# KiCad board WLED Matrix.kicad_pcb (continued)
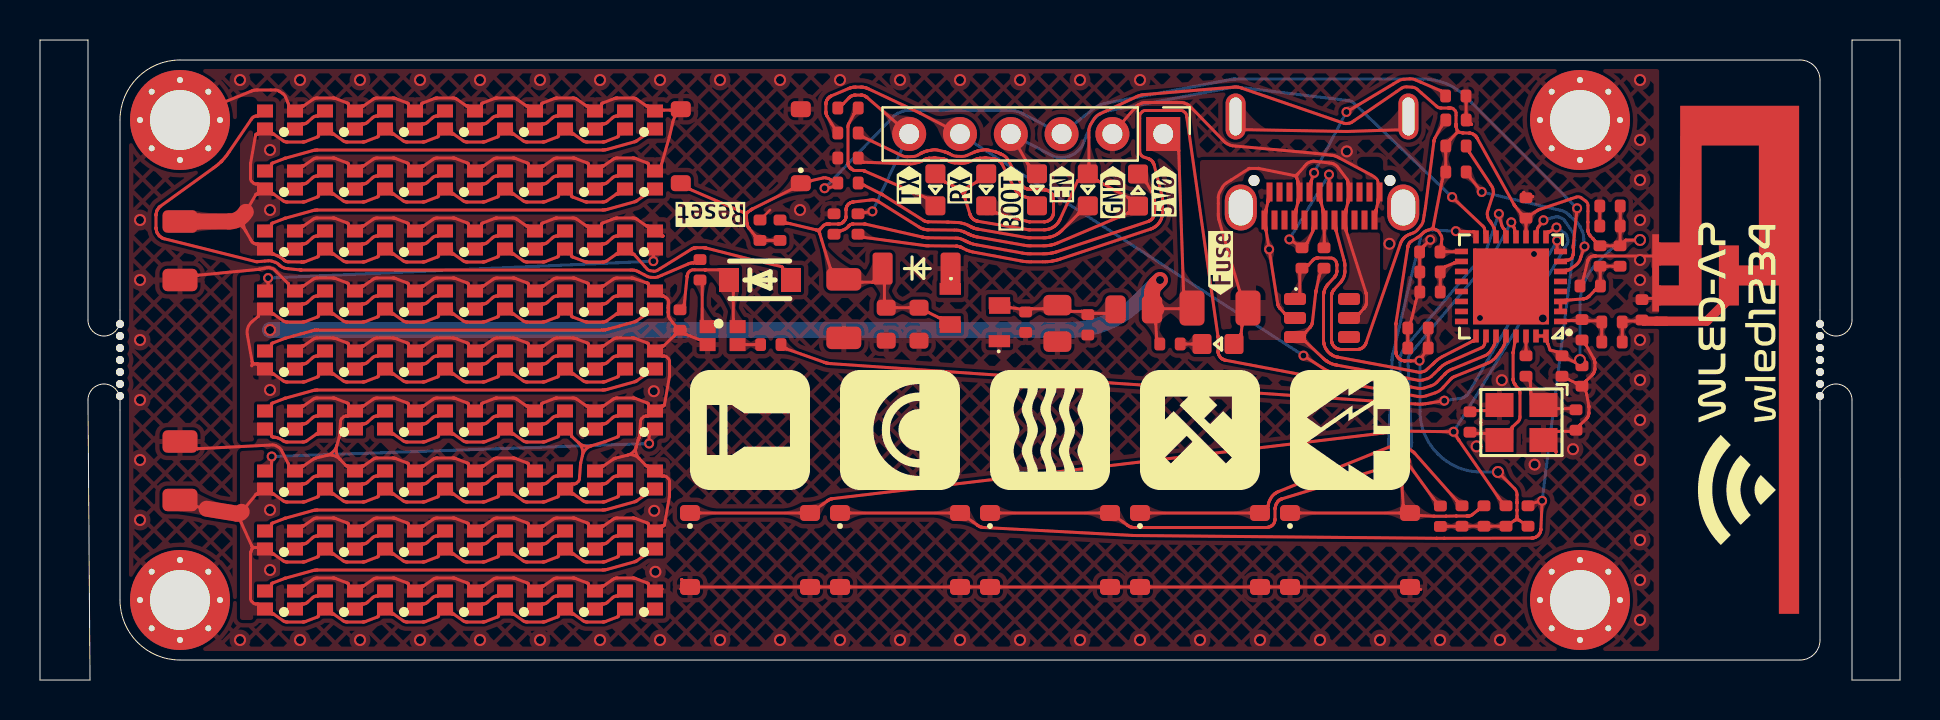
[diagram p0: board, top side]
## Routing (per net, layer and track width the routed paths; a pad name or vN(x,y) marks a point on that pad's centre or on a via; arc(x,y) is an arc through that point)
+3.3V: length 131.5
  Top w0.15: U3.11 74.3,22.52 74.3,22.93 74.3,22.99 ; 69.69,22.56 69.82,22.5 arc(69.9,22.45) 69.96,22.38 70.05,22.22 arc(70.09,22.14) 70.09,22.04 70.06,21.73 arc(70.06,21.73) 70.06,21.72 arc(70.06,21.72) 70.06,21.72 70.06,21.68 arc(70.06,21.65) 70.05,21.61 70.02,21.5 arc(70.04,21.43) 70.1,21.41 70.16,21.41 arc(70.2,21.41) 70.23,21.41 70.79,21.41 arc(70.82,21.41) 70.86,21.42 U3.17 ; 69.69,22.56 arc(69.65,22.57) 69.6,22.56 ; 69.69,22.56 arc(69.66,22.58) 69.65,22.62 ; 39.05,22.59 39.17,22.72 arc(39.19,22.73) 39.21,22.74 39.25,22.77 arc(39.27,22.78) 39.29,22.78 39.3,22.79 arc(39.31,22.79) 39.32,22.79 arc(39.33,22.79) 39.34,22.8 39.34,22.8 arc(39.35,22.8) 39.36,22.8 39.39,22.8 arc(39.4,22.8) 39.41,22.8 39.46,22.8 arc(39.47,22.8) 39.48,22.8 arc(39.49,22.8) 39.5,22.8 39.91,22.8 arc(39.92,22.8) 39.92,22.8 39.92,22.8 arc(39.92,22.8) 39.93,22.8 40,22.81 arc(40.02,22.81) 40.04,22.82 40.08,22.83 arc(40.1,22.84) 40.11,22.85 40.15,22.89 arc(40.16,22.89) 40.16,22.89 40.17,22.9 arc(40.17,22.9) 40.17,22.91 arc(40.17,22.91) 40.18,22.91 40.18,22.92 arc(40.19,22.93) 40.2,22.94 40.21,22.95 arc(40.21,22.95) 40.21,22.95 40.23,22.97 arc(40.24,22.98) 40.25,23 40.27,23.04 arc(40.28,23.05) 40.28,23.07 40.29,23.11 arc(40.29,23.12) 40.3,23.12 arc(40.3,23.13) 40.3,23.14 40.3,23.15 arc(40.3,23.16) 40.3,23.17 40.3,23.5 arc(40.3,23.51) 40.3,23.51 40.3,23.53 arc(40.3,23.53) 40.3,23.54 arc(40.3,23.54) 40.3,23.55 40.31,23.58 arc(40.31,23.59) 40.31,23.6 arc(40.32,23.61) 40.32,23.62 40.33,23.65 arc(40.33,23.66) 40.33,23.67 40.36,23.72 arc(40.37,23.74) 40.38,23.75 40.41,23.79 arc(40.43,23.8) 40.44,23.81 40.5,23.85 arc(40.51,23.86) 40.52,23.86 40.55,23.88 arc(40.57,23.88) 40.58,23.89 40.62,23.89 arc(40.62,23.89) 40.63,23.89 arc(40.63,23.89) 40.63,23.89 40.65,23.9 arc(40.65,23.9) 40.66,23.9 arc(40.66,23.9) 40.66,23.9 40.67,23.9 arc(40.67,23.9) 40.67,23.9 arc(40.68,23.9) 40.68,23.9 41.6,24.01 arc(41.65,24.01) 41.7,24 41.8,23.98 arc(41.84,23.97) 41.88,23.95 41.97,23.89 43.95,22.65 44.01,22.61 arc(44.03,22.6) 44.06,22.58 44.13,22.56 arc(44.16,22.55) 44.19,22.54 44.29,22.52 arc(44.31,22.52) 44.33,22.52 44.36,22.51 arc(44.38,22.51) 44.4,22.51 44.43,22.51 45.83,22.49 arc(45.88,22.49) 45.93,22.48 46.04,22.46 arc(46.09,22.45) 46.14,22.43 46.2,22.41 arc(46.21,22.4) 46.22,22.4 46.24,22.39 arc(46.28,22.37) 46.31,22.36 46.39,22.32 arc(46.4,22.31) 46.41,22.31 46.41,22.31 arc(46.42,22.3) 46.43,22.3 arc(46.44,22.29) 46.45,22.29 46.48,22.27 arc(46.49,22.27) 46.51,22.26 46.54,22.25 arc(46.55,22.24) 46.57,22.24 46.57,22.24 arc(46.58,22.23) 46.6,22.23 46.6,22.23 arc(46.61,22.22) 46.62,22.22 arc(46.63,22.22) 46.64,22.21 46.73,22.18 arc(46.75,22.18) 46.77,22.17 46.81,22.16 arc(46.82,22.16) 46.84,22.15 46.88,22.15 49.2,21.74 49.27,21.73 arc(49.3,21.72) 49.33,21.72 49.4,21.71 arc(49.43,21.71) 49.47,21.71 50.24,21.71 arc(50.28,21.71) 50.31,21.71 50.39,21.72 arc(50.42,21.73) 50.46,21.73 50.59,21.76 arc(50.63,21.77) 50.67,21.78 50.74,21.8 arc(50.78,21.81) 50.82,21.83 50.89,21.86 54.4,23.34 arc(54.4,23.34) 54.4,23.34 54.4,23.35 arc(54.4,23.35) 54.4,23.35 arc(54.41,23.35) 54.41,23.35 54.65,23.52 arc(54.75,23.71) 54.67,23.9 54.43,24.11 arc(54.43,24.11) 54.43,24.11 arc(54.43,24.11) 54.42,24.11 52.9,24.95 arc(52.89,24.95) 52.89,24.95 52.89,24.96 arc(52.89,24.96) 52.89,24.96 arc(52.88,24.96) 52.88,24.96 52.55,25.19 ; 39.05,22.59 arc(38.98,22.46) 38.99,22.32 ; 39.05,22.59 arc(38.93,22.51) 38.79,22.51 ; R24.1 70.23,7.68 arc(70.27,7.68) 70.3,7.68 70.82,7.68 arc(70.85,7.69) 70.89,7.69 70.98,7.69 arc(71.1,7.69) 71.22,7.69 73.18,7.69 arc(73.29,7.71) 73.4,7.76 73.48,7.81 arc(73.6,7.9) 73.72,7.97 ; 69.6,22.56 69.33,22.47 arc(69.3,22.46) 69.28,22.44 69.24,22.42 arc(69.22,22.4) 69.2,22.39 69.05,22.26 arc(69.03,22.23) 69,22.21 68.95,22.17 arc(68.92,22.15) 68.89,22.14 68.55,21.93 arc(68.54,21.92) 68.52,21.91 68.5,21.88 arc(68.49,21.87) 68.48,21.86 68.44,21.81 arc(68.43,21.79) 68.43,21.78 68.41,21.75 arc(68.41,21.73) 68.4,21.72 68.4,21.68 arc(68.4,21.68) 68.4,21.67 arc(68.4,21.67) 68.4,21.67 68.39,21.65 arc(68.39,21.65) 68.39,21.64 arc(68.39,21.63) 68.39,21.63 67.8,17.84 67.8,17.83 arc(67.8,17.82) 67.8,17.82 67.79,17.8 arc(67.79,17.8) 67.79,17.79 arc(67.79,17.79) 67.79,17.78 67.79,16.41 arc(67.79,16.4) 67.8,16.39 67.8,16.38 arc(67.8,16.37) 67.8,16.36 arc(67.8,16.35) 67.8,16.34 67.81,16.33 arc(67.81,16.33) 67.81,16.32 67.81,16.28 arc(67.82,16.27) 67.82,16.25 67.84,16.22 arc(67.84,16.21) 67.85,16.2 arc(67.86,16.18) 67.87,16.17 67.9,16.13 arc(67.91,16.11) 67.92,16.1 67.94,16.08 arc(67.95,16.07) 67.96,16.06 68.04,16.01 arc(68.05,16) 68.06,16 68.09,15.98 arc(68.11,15.98) 68.12,15.97 arc(68.14,15.97) 68.16,15.97 68.2,15.96 arc(68.21,15.96) 68.22,15.96 68.23,15.96 arc(68.24,15.95) 68.25,15.95 68.52,15.95 arc(68.52,15.95) 68.53,15.95 arc(68.53,15.95) 68.54,15.95 v2(68.98,15.97) 69.1,16.15 arc(69.2,16.3) 69.31,16.45 69.34,16.5 arc(69.39,16.61) 69.41,16.72 C21.1 ; 69.6,22.56 arc(69.64,22.58) 69.65,22.62 ; 74.23,23.16 74.04,23.33 arc(74.04,23.34) 74.04,23.34 arc(74.04,23.34) 74.04,23.34 73.77,23.67 arc(73.77,23.67) 73.76,23.68 arc(73.76,23.68) 73.76,23.68 73.76,23.69 arc(73.75,23.69) 73.75,23.7 73.72,23.74 arc(73.72,23.74) 73.72,23.75 arc(73.72,23.75) 73.71,23.75 73.71,23.76 arc(73.71,23.76) 73.71,23.76 arc(73.71,23.77) 73.7,23.77 71.86,27.09 arc(71.85,27.09) 71.85,27.1 arc(71.85,27.1) 71.85,27.1 71.85,27.11 arc(71.84,27.11) 71.84,27.11 arc(71.84,27.12) 71.84,27.12 71.8,27.18 arc(71.79,27.19) 71.78,27.2 71.76,27.22 arc(71.75,27.23) 71.73,27.24 71.66,27.29 arc(71.65,27.3) 71.64,27.3 71.61,27.32 arc(71.59,27.32) 71.58,27.33 71.54,27.33 arc(71.53,27.33) 71.53,27.33 71.51,27.34 arc(71.51,27.34) 71.5,27.34 arc(71.49,27.34) 71.49,27.34 71.48,27.34 arc(71.47,27.34) 71.46,27.35 arc(71.46,27.35) 71.45,27.35 71.17,27.35 arc(71.16,27.35) 71.16,27.35 arc(71.15,27.36) 71.14,27.36 71.13,27.36 arc(71.12,27.36) 71.12,27.36 71.06,27.37 arc(71.06,27.37) 71.06,27.37 arc(71.05,27.37) 71.05,27.37 70.97,27.39 ; 74.23,23.16 arc(74.28,23.08) 74.3,22.99 ; 74.23,23.16 arc(74.3,23.12) 74.38,23.15 ; U3.31 75.27,17.2 arc(75.29,17.19) 75.31,17.17 75.36,16.99 arc(75.36,16.95) 75.37,16.91 75.37,16.87 arc(75.37,16.86) 75.37,16.85 75.37,16.84 arc(75.38,16.83) 75.38,16.83 75.39,16.82 75.5,16.5 75.8,16.42 arc(75.8,16.42) 75.8,16.42 arc(75.8,16.42) 75.8,16.42 arc(75.8,16.42) 75.81,16.42 75.96,16.31 arc(76.1,16.22) 76.26,16.13 76.41,16.05 arc(76.42,16.05) 76.42,16.05 arc(76.42,16.05) 76.42,16.05 76.42,16.05 arc(76.42,16.05) 76.42,16.05 76.78,15.87 arc(76.78,15.87) 76.78,15.87 76.78,15.87 arc(76.78,15.87) 76.79,15.87 v1(77,16) C59.1 ; 70.86,27.49 70.81,27.64 arc(70.81,27.65) 70.81,27.66 70.8,27.67 arc(70.8,27.68) 70.8,27.69 arc(70.8,27.69) 70.8,27.7 70.8,27.72 arc(70.8,27.73) 70.8,27.73 70.8,27.74 arc(70.8,27.75) 70.8,27.76 70.8,27.76 arc(70.8,27.76) 70.8,27.77 70.8,27.77 arc(70.8,27.77) 70.8,27.77 arc(70.8,27.77) 70.8,27.78 70.8,27.78 arc(70.8,27.78) 70.8,27.79 arc(70.8,27.79) 70.8,27.79 70.8,28.36 arc(70.79,28.41) 70.76,28.46 70.67,28.55 arc(70.62,28.59) 70.56,28.6 70.48,28.6 arc(70.48,28.6) 70.48,28.6 70.45,28.6 arc(70.45,28.6) 70.45,28.6 70.41,28.6 70.02,28.6 arc(69.99,28.6) 69.96,28.61 69.91,28.63 arc(69.88,28.64) 69.86,28.66 69.07,29.35 68.86,29.54 arc(68.74,29.61) 68.61,29.64 68.33,29.66 arc(68.19,29.64) 68.07,29.59 67.84,29.43 65.7,27.97 65.59,27.89 arc(65.53,27.86) 65.47,27.84 65.33,27.82 arc(65.27,27.82) 65.2,27.84 65.07,27.88 60.09,29.59 60.01,29.62 arc(59.97,29.63) 59.92,29.64 59.84,29.65 arc(59.8,29.65) 59.75,29.65 59.67,29.64 55.27,29.28 55.17,29.27 arc(55.12,29.26) 55.07,29.25 54.97,29.22 arc(54.92,29.21) 54.88,29.19 54.79,29.15 52.97,28.29 arc(52.83,28.2) 52.72,28.07 52.54,27.79 arc(52.47,27.63) 52.45,27.47 52.45,25.75 arc(52.44,25.71) 52.44,25.67 52.42,25.51 ; 70.86,27.49 arc(70.9,27.43) 70.97,27.39 ; 70.86,27.49 arc(70.86,27.42) 70.82,27.35 ; R21.1 74.22,7.81 arc(74.1,7.9) 73.98,7.97 ; 73.85,8.19 73.85,8.48 arc(73.85,8.48) 73.85,8.48 arc(73.85,8.49) 73.85,8.49 73.85,8.49 arc(73.85,8.49) 73.85,8.5 arc(73.85,8.5) 73.85,8.5 73.85,8.84 arc(73.85,8.85) 73.85,8.86 73.85,8.86 arc(73.85,8.86) 73.85,8.86 73.85,8.87 arc(73.85,8.87) 73.85,8.88 arc(73.85,8.88) 73.85,8.88 73.85,8.89 arc(73.85,8.89) 73.85,8.9 arc(73.85,8.9) 73.85,8.9 73.85,9.01 arc(73.85,9.12) 73.85,9.23 73.85,9.29 arc(73.82,9.44) 73.73,9.57 v1(72.9,10.4) ; 73.85,8.19 arc(73.88,8.07) 73.98,7.97 ; 73.85,8.19 arc(73.82,8.07) 73.72,7.97 ; R36.1 37.31,22.84 arc(37.32,22.84) 37.32,22.84 37.34,22.84 arc(37.36,22.84) 37.38,22.84 37.43,22.83 arc(37.45,22.83) 37.47,22.82 37.51,22.81 38.79,22.51 ; 74.3,22.99 arc(74.32,23.08) 74.38,23.15 ; L5.1 79.29,22 v1(80,22) ; 52.55,25.19 arc(52.39,25.25) 52.23,25.19 ; 52.55,25.19 arc(52.44,25.33) 52.42,25.51 ; LED5.2 46.84,24.9 arc(46.84,24.9) 46.84,24.9 46.48,24.69 ; LED4.2 45.24,24.9 arc(45.24,24.9) 45.24,24.9 45.25,24.9 arc(45.25,24.9) 45.25,24.9 45.75,24.66 ; 52.23,25.19 51.9,24.96 arc(51.9,24.96) 51.89,24.96 arc(51.89,24.96) 51.89,24.96 51.89,24.95 arc(51.89,24.95) 51.88,24.95 51.88,24.95 arc(51.88,24.95) 51.88,24.94 50.99,23.01 arc(50.99,23) 50.98,22.99 50.97,22.96 arc(50.96,22.95) 50.95,22.94 50.89,22.85 arc(50.87,22.82) 50.84,22.79 50.79,22.74 arc(50.77,22.72) 50.74,22.7 50.63,22.62 arc(50.6,22.6) 50.57,22.59 50.5,22.56 arc(50.47,22.55) 50.43,22.54 50.32,22.52 arc(50.31,22.52) 50.29,22.51 50.25,22.51 arc(50.24,22.51) 50.22,22.51 49.48,22.51 arc(49.47,22.51) 49.46,22.51 49.43,22.51 arc(49.41,22.51) 49.4,22.52 49.37,22.52 46.91,22.93 arc(46.91,22.93) 46.91,22.93 arc(46.9,22.93) 46.9,22.93 46.89,22.93 arc(46.89,22.94) 46.89,22.94 arc(46.89,22.94) 46.88,22.94 46.86,22.94 arc(46.86,22.94) 46.85,22.95 arc(46.85,22.95) 46.84,22.95 46.81,22.96 arc(46.8,22.96) 46.79,22.97 46.77,22.97 arc(46.76,22.98) 46.75,22.98 46.7,23.02 arc(46.69,23.02) 46.68,23.03 arc(46.68,23.03) 46.67,23.03 46.66,23.04 arc(46.66,23.05) 46.65,23.05 46.62,23.08 arc(46.62,23.08) 46.61,23.09 46.61,23.09 arc(46.6,23.1) 46.6,23.1 46.58,23.12 arc(46.58,23.13) 46.57,23.14 arc(46.57,23.14) 46.56,23.15 46.55,23.17 arc(46.55,23.17) 46.54,23.18 46.53,23.21 arc(46.53,23.22) 46.52,23.22 arc(46.52,23.23) 46.52,23.23 46.52,23.24 arc(46.51,23.24) 46.51,23.25 arc(46.51,23.25) 46.51,23.26 46.5,23.28 arc(46.5,23.28) 46.5,23.28 arc(46.5,23.29) 46.5,23.29 46.25,24.09 ; 52.23,25.19 arc(52.35,25.33) 52.42,25.51 ; 38.99,22.32 39.08,22.01 arc(39.08,22.01) 39.08,22.01 arc(39.08,22.01) 39.08,22.01 39.52,20.59 arc(39.52,20.59) 39.52,20.59 arc(39.52,20.59) 39.52,20.59 39.88,20.29 arc(40.21,20.08) 40.59,19.96 40.95,19.9 arc(40.99,19.89) 41.03,19.89 41.63,19.89 arc(41.63,19.89) 41.63,19.89 arc(41.63,19.89) 41.63,19.89 arc(41.64,19.89) 41.64,19.89 41.91,20.27 arc(42.07,20.33) 42.17,20.21 42.22,19.88 arc(42.22,19.84) 42.22,19.81 42.22,18.98 arc(42.22,18.94) 42.23,18.9 42.27,18.78 arc(42.34,18.66) 42.48,18.62 43.75,18.62 arc(43.94,18.59) 44.13,18.52 44.42,18.38 arc(44.42,18.38) 44.42,18.38 44.42,18.37 arc(44.43,18.37) 44.43,18.37 44.93,18.12 arc(44.93,18.12) 44.94,18.12 arc(44.94,18.12) 44.94,18.12 44.95,18.12 arc(44.96,18.12) 44.96,18.12 45,18.12 arc(45.04,18.11) 45.07,18.1 LDO1.3 ; 38.99,22.32 arc(38.91,22.44) 38.79,22.51 ; 70.97,27.39 arc(70.89,27.39) 70.82,27.35 ; 74.38,23.15 74.47,23.21 arc(74.6,23.3) 74.73,23.38 74.88,23.48 arc(74.89,23.49) 74.91,23.5 74.94,23.51 arc(74.96,23.52) 74.97,23.53 75.01,23.54 76.55,24.06 76.82,24.15 arc(76.94,24.16) 77.06,24.11 77.29,23.95 arc(77.37,23.85) 77.4,23.72 77.39,22.89 arc(77.39,22.89) 77.39,22.89 77.39,22.51 arc(77.39,22.5) 77.4,22.49 77.4,22.48 arc(77.4,22.47) 77.4,22.46 arc(77.4,22.45) 77.4,22.44 77.41,22.43 arc(77.41,22.43) 77.41,22.42 77.41,22.38 arc(77.42,22.37) 77.42,22.35 77.44,22.32 arc(77.44,22.31) 77.45,22.3 arc(77.46,22.28) 77.47,22.27 77.49,22.23 arc(77.5,22.23) 77.5,22.22 77.51,22.21 arc(77.52,22.2) 77.52,22.2 77.63,22.08 arc(77.64,22.08) 77.64,22.07 arc(77.65,22.07) 77.65,22.06 77.66,22.06 arc(77.66,22.05) 77.67,22.05 77.74,21.96 arc(77.74,21.96) 77.74,21.96 arc(77.74,21.96) 77.74,21.95 77.91,21.79 arc(78.01,21.73) 78.12,21.71 78.9,21.71 arc(78.97,21.74) 79,21.81 79,21.87 arc(79,21.91) 79,21.94 79,22.42 arc(79.01,22.45) 79.01,22.49 79.01,22.58 arc(79.01,22.7) 79.01,22.82 C52.1 ; 70.82,27.35 70.5,27 arc(70.5,27) 70.5,27 arc(70.5,27) 70.5,27 arc(70.5,27) 70.5,26.99 70.36,26.8 arc(70.31,26.69) 70.29,26.58 70.29,25.52 arc(70.28,25.4) 70.23,25.29 70.21,25.24 arc(70.14,25.08) 70.1,24.91 69.65,22.62 ; 46.25,24.09 arc(46.06,24.43) 45.75,24.66 ; 46.25,24.09 arc(46.26,24.43) 46.48,24.69 ; 45.75,24.66 arc(46.12,24.59) 46.48,24.69 ; 73.98,7.97 arc(73.85,8.01) 73.72,7.97
  Bottom w0.15: v1(72.9,10.4) 72.04,10.4 arc(70.89,10.63) 69.92,11.28 69.88,11.32 arc(69.23,12.29) 69,13.44 69,15.93 arc(69,15.94) 68.99,15.96 v2(68.98,15.97) ; v1(77,16) 77,18.76 arc(77.23,19.91) 77.88,20.88 78.41,21.41 arc(79.06,21.85) 79.83,22 v1(80,22)
+5V: length 282.9
  Top w0.15: C24.1 7.76,22.93 7.84,22.93 ; RGB36.2 28.95,15.32 arc(28.93,15.3) 28.92,15.26 28.92,15.21 arc(28.92,15.2) 28.92,15.19 28.91,15.17 arc(28.9,15.16) 28.89,15.16 28.87,15.15 28.25,14.92 arc(28.24,14.91) 28.22,14.91 28.19,14.9 arc(28.18,14.9) 28.16,14.9 27.33,14.9 arc(27.3,14.9) 27.28,14.91 27.23,14.92 arc(27.21,14.93) 27.18,14.94 26.7,15.28 arc(26.69,15.29) 26.69,15.29 arc(26.68,15.29) 26.68,15.29 26.67,15.3 arc(26.66,15.3) 26.66,15.3 26.61,15.3 arc(26.58,15.31) 26.55,15.32 26.41,15.43 arc(26.25,15.48) 26.09,15.43 25.95,15.32 arc(25.93,15.3) 25.92,15.26 25.92,15.21 arc(25.92,15.2) 25.92,15.19 25.91,15.17 arc(25.9,15.16) 25.89,15.16 25.87,15.15 25.25,14.92 arc(25.24,14.91) 25.22,14.91 25.19,14.9 arc(25.18,14.9) 25.16,14.9 24.33,14.9 arc(24.3,14.9) 24.28,14.91 24.23,14.92 arc(24.21,14.93) 24.18,14.94 23.7,15.28 arc(23.69,15.29) 23.69,15.29 arc(23.68,15.29) 23.68,15.29 23.67,15.3 arc(23.66,15.3) 23.66,15.3 23.61,15.3 arc(23.58,15.31) 23.55,15.32 23.41,15.43 arc(23.25,15.48) 23.09,15.43 22.95,15.32 arc(22.93,15.3) 22.92,15.26 22.92,15.21 arc(22.92,15.2) 22.92,15.19 22.91,15.17 arc(22.9,15.16) 22.89,15.16 22.87,15.15 22.25,14.92 arc(22.24,14.91) 22.22,14.91 22.19,14.9 arc(22.18,14.9) 22.16,14.9 21.33,14.9 arc(21.3,14.9) 21.28,14.91 21.23,14.92 arc(21.21,14.93) 21.18,14.94 20.7,15.28 arc(20.69,15.29) 20.69,15.29 arc(20.68,15.29) 20.68,15.29 20.67,15.3 arc(20.66,15.3) 20.66,15.3 20.61,15.3 arc(20.58,15.31) 20.55,15.32 20.41,15.43 arc(20.25,15.48) 20.09,15.43 19.95,15.32 arc(19.93,15.3) 19.92,15.26 19.92,15.21 arc(19.92,15.2) 19.92,15.19 19.91,15.17 arc(19.9,15.16) 19.89,15.16 19.87,15.15 19.25,14.92 arc(19.24,14.91) 19.22,14.91 19.19,14.9 arc(19.18,14.9) 19.16,14.9 18.33,14.9 arc(18.3,14.9) 18.28,14.91 18.23,14.92 arc(18.21,14.93) 18.18,14.94 17.7,15.28 arc(17.69,15.29) 17.69,15.29 arc(17.68,15.29) 17.68,15.29 17.67,15.3 arc(17.66,15.3) 17.66,15.3 17.61,15.3 arc(17.58,15.31) 17.55,15.32 17.41,15.43 arc(17.25,15.48) 17.09,15.43 16.95,15.32 arc(16.93,15.3) 16.92,15.26 16.92,15.21 arc(16.92,15.2) 16.92,15.19 16.91,15.17 arc(16.9,15.16) 16.89,15.16 16.87,15.15 16.25,14.92 arc(16.24,14.91) 16.22,14.91 16.19,14.9 arc(16.18,14.9) 16.16,14.9 15.33,14.9 arc(15.3,14.9) 15.28,14.91 15.23,14.92 arc(15.21,14.93) 15.18,14.94 14.7,15.28 arc(14.69,15.29) 14.69,15.29 arc(14.68,15.29) 14.68,15.29 14.67,15.3 arc(14.66,15.3) 14.66,15.3 14.61,15.3 arc(14.58,15.31) 14.55,15.32 14.41,15.43 arc(14.25,15.48) 14.09,15.43 13.95,15.32 arc(13.93,15.3) 13.92,15.26 13.92,15.21 arc(13.92,15.2) 13.92,15.19 13.91,15.17 arc(13.9,15.16) 13.89,15.16 13.87,15.15 13.25,14.92 arc(13.24,14.91) 13.22,14.91 13.19,14.9 arc(13.18,14.9) 13.16,14.9 12.33,14.9 arc(12.3,14.9) 12.28,14.91 12.23,14.92 arc(12.21,14.93) 12.18,14.94 11.7,15.28 arc(11.69,15.29) 11.69,15.29 arc(11.68,15.29) 11.68,15.29 11.67,15.3 arc(11.66,15.3) 11.66,15.3 11.61,15.3 arc(11.58,15.31) 11.55,15.32 10.95,15.78 arc(10.92,15.79) 10.89,15.8 10.86,15.8 arc(10.85,15.8) 10.84,15.8 arc(10.83,15.8) 10.82,15.8 10.73,15.81 ; 10.73,15.81 arc(10.64,15.78) 10.59,15.71 arc(10.61,15.81) 10.61,15.91 ; 10.73,15.81 arc(10.65,15.84) 10.61,15.91 ; RGB15.2 28.95,24.32 arc(28.92,24.31) 28.89,24.3 28.84,24.3 arc(28.84,24.3) 28.83,24.3 28.82,24.29 arc(28.82,24.29) 28.81,24.29 arc(28.81,24.29) 28.8,24.28 28.36,23.97 28.32,23.94 arc(28.29,23.93) 28.27,23.92 28.22,23.91 arc(28.2,23.9) 28.18,23.9 27.34,23.9 arc(27.32,23.9) 27.31,23.9 27.28,23.91 arc(27.26,23.91) 27.25,23.92 26.63,24.15 arc(26.62,24.15) 26.61,24.16 arc(26.6,24.16) 26.59,24.17 26.58,24.19 arc(26.58,24.2) 26.57,24.21 26.57,24.26 arc(26.57,24.3) 26.55,24.32 26.41,24.43 arc(26.25,24.48) 26.09,24.43 25.95,24.32 arc(25.93,24.3) 25.92,24.26 25.92,24.21 arc(25.92,24.2) 25.92,24.19 25.91,24.17 arc(25.9,24.16) 25.89,24.16 25.87,24.15 25.25,23.92 arc(25.24,23.91) 25.22,23.91 25.19,23.9 arc(25.18,23.9) 25.16,23.9 24.33,23.9 arc(24.3,23.9) 24.28,23.91 24.23,23.92 arc(24.21,23.93) 24.18,23.94 23.7,24.28 arc(23.69,24.29) 23.69,24.29 arc(23.68,24.29) 23.68,24.29 23.67,24.3 arc(23.66,24.3) 23.66,24.3 23.61,24.3 arc(23.58,24.31) 23.55,24.32 23.41,24.43 arc(23.25,24.48) 23.09,24.43 22.95,24.32 arc(22.93,24.3) 22.92,24.26 22.92,24.21 arc(22.92,24.2) 22.92,24.19 22.91,24.17 arc(22.9,24.16) 22.89,24.16 22.87,24.15 22.25,23.92 arc(22.24,23.91) 22.22,23.91 22.19,23.9 arc(22.18,23.9) 22.16,23.9 21.33,23.9 arc(21.3,23.9) 21.28,23.91 21.23,23.92 arc(21.21,23.93) 21.18,23.94 20.7,24.28 arc(20.69,24.29) 20.69,24.29 arc(20.68,24.29) 20.68,24.29 20.67,24.3 arc(20.66,24.3) 20.66,24.3 20.61,24.3 arc(20.58,24.31) 20.55,24.32 20.41,24.43 arc(20.25,24.48) 20.09,24.43 19.95,24.32 arc(19.93,24.3) 19.92,24.26 19.92,24.21 arc(19.92,24.2) 19.92,24.19 19.91,24.17 arc(19.9,24.16) 19.89,24.16 19.87,24.15 19.25,23.92 arc(19.24,23.91) 19.22,23.91 19.19,23.9 arc(19.18,23.9) 19.16,23.9 18.33,23.9 arc(18.3,23.9) 18.28,23.91 18.23,23.92 arc(18.21,23.93) 18.18,23.94 17.7,24.28 arc(17.69,24.29) 17.69,24.29 arc(17.68,24.29) 17.68,24.29 17.67,24.3 arc(17.66,24.3) 17.66,24.3 17.61,24.3 arc(17.58,24.31) 17.55,24.32 17.41,24.43 arc(17.25,24.48) 17.09,24.43 16.95,24.32 arc(16.93,24.3) 16.92,24.26 16.92,24.21 arc(16.92,24.2) 16.92,24.19 16.91,24.17 arc(16.9,24.16) 16.89,24.16 16.87,24.15 16.25,23.92 arc(16.24,23.91) 16.22,23.91 16.19,23.9 arc(16.18,23.9) 16.16,23.9 15.33,23.9 arc(15.3,23.9) 15.28,23.91 15.23,23.92 arc(15.21,23.93) 15.18,23.94 14.7,24.28 arc(14.69,24.29) 14.69,24.29 arc(14.68,24.29) 14.68,24.29 14.67,24.3 arc(14.66,24.3) 14.66,24.3 14.61,24.3 arc(14.58,24.31) 14.55,24.32 14.41,24.43 arc(14.25,24.48) 14.09,24.43 13.95,24.32 arc(13.93,24.3) 13.92,24.26 13.92,24.21 arc(13.92,24.2) 13.92,24.19 13.91,24.17 arc(13.9,24.16) 13.89,24.16 13.87,24.15 13.25,23.92 arc(13.24,23.91) 13.22,23.91 13.19,23.9 arc(13.18,23.9) 13.16,23.9 12.33,23.9 arc(12.3,23.9) 12.28,23.91 12.23,23.92 arc(12.21,23.93) 12.18,23.94 11.7,24.28 arc(11.69,24.29) 11.69,24.29 arc(11.68,24.29) 11.68,24.29 11.67,24.3 arc(11.66,24.3) 11.66,24.3 11.61,24.3 arc(11.58,24.31) 11.55,24.32 11.41,24.43 ; RGB57.2 28.95,6.32 arc(28.93,6.3) 28.92,6.26 28.92,6.21 arc(28.92,6.2) 28.92,6.19 28.91,6.17 arc(28.9,6.16) 28.89,6.16 28.87,6.15 28.25,5.92 arc(28.24,5.91) 28.22,5.91 28.19,5.9 arc(28.18,5.9) 28.16,5.9 27.33,5.9 arc(27.3,5.9) 27.28,5.91 27.23,5.92 arc(27.21,5.93) 27.18,5.94 26.7,6.28 arc(26.69,6.29) 26.69,6.29 arc(26.68,6.29) 26.68,6.29 26.67,6.3 arc(26.66,6.3) 26.66,6.3 26.61,6.3 arc(26.58,6.31) 26.55,6.32 26.41,6.43 arc(26.25,6.48) 26.09,6.43 25.95,6.32 arc(25.93,6.3) 25.92,6.26 25.92,6.21 arc(25.92,6.2) 25.92,6.19 25.91,6.17 arc(25.9,6.16) 25.89,6.16 25.87,6.15 25.25,5.92 arc(25.24,5.91) 25.22,5.91 25.19,5.9 arc(25.18,5.9) 25.16,5.9 24.33,5.9 arc(24.3,5.9) 24.28,5.91 24.23,5.92 arc(24.21,5.93) 24.18,5.94 23.7,6.28 arc(23.69,6.29) 23.69,6.29 arc(23.68,6.29) 23.68,6.29 23.67,6.3 arc(23.66,6.3) 23.66,6.3 23.61,6.3 arc(23.58,6.31) 23.55,6.32 23.41,6.43 arc(23.25,6.48) 23.09,6.43 22.95,6.32 arc(22.93,6.3) 22.92,6.26 22.92,6.21 arc(22.92,6.2) 22.92,6.19 22.91,6.17 arc(22.9,6.16) 22.89,6.16 22.87,6.15 22.25,5.92 arc(22.24,5.91) 22.22,5.91 22.19,5.9 arc(22.18,5.9) 22.16,5.9 21.33,5.9 arc(21.3,5.9) 21.28,5.91 21.23,5.92 arc(21.21,5.93) 21.18,5.94 20.7,6.28 arc(20.69,6.29) 20.69,6.29 arc(20.68,6.29) 20.68,6.29 20.67,6.3 arc(20.66,6.3) 20.66,6.3 20.61,6.3 arc(20.58,6.31) 20.55,6.32 20.41,6.43 arc(20.25,6.48) 20.09,6.43 19.95,6.32 arc(19.93,6.3) 19.92,6.26 19.92,6.21 arc(19.92,6.2) 19.92,6.19 19.91,6.17 arc(19.9,6.16) 19.89,6.16 19.87,6.15 19.25,5.92 arc(19.24,5.91) 19.22,5.91 19.19,5.9 arc(19.18,5.9) 19.16,5.9 18.33,5.9 arc(18.3,5.9) 18.28,5.91 18.23,5.92 arc(18.21,5.93) 18.18,5.94 17.7,6.28 arc(17.69,6.29) 17.69,6.29 arc(17.68,6.29) 17.68,6.29 17.67,6.3 arc(17.66,6.3) 17.66,6.3 17.61,6.3 arc(17.58,6.31) 17.55,6.32 17.41,6.43 arc(17.25,6.48) 17.09,6.43 16.95,6.32 arc(16.93,6.3) 16.92,6.26 16.92,6.21 arc(16.92,6.2) 16.92,6.19 16.91,6.17 arc(16.9,6.16) 16.89,6.16 16.87,6.15 16.25,5.92 arc(16.24,5.91) 16.22,5.91 16.19,5.9 arc(16.18,5.9) 16.16,5.9 15.33,5.9 arc(15.3,5.9) 15.28,5.91 15.23,5.92 arc(15.21,5.93) 15.18,5.94 14.7,6.28 arc(14.69,6.29) 14.69,6.29 arc(14.68,6.29) 14.68,6.29 14.67,6.3 arc(14.66,6.3) 14.66,6.3 14.61,6.3 arc(14.58,6.31) 14.55,6.32 14.41,6.43 arc(14.25,6.48) 14.09,6.43 13.95,6.32 arc(13.93,6.3) 13.92,6.26 13.92,6.21 arc(13.92,6.2) 13.92,6.19 13.91,6.17 arc(13.9,6.16) 13.89,6.16 13.87,6.15 13.25,5.92 arc(13.24,5.91) 13.22,5.91 13.19,5.9 arc(13.18,5.9) 13.16,5.9 12.33,5.9 arc(12.3,5.9) 12.28,5.91 12.23,5.92 arc(12.21,5.93) 12.18,5.94 11.7,6.28 arc(11.69,6.29) 11.69,6.29 arc(11.68,6.29) 11.68,6.29 11.67,6.3 arc(11.66,6.3) 11.66,6.3 11.61,6.3 arc(11.58,6.31) 11.55,6.32 11.38,6.45 arc(11.24,6.53) 11.09,6.59 10.96,6.61 arc(10.92,6.62) 10.89,6.62 10.74,6.62 ; J1.1 56.91,26.55 arc(56.93,26.52) 56.94,26.49 56.94,26.45 arc(56.94,26.45) 56.94,26.45 57.18,19.48 arc(57.18,19.47) 57.18,19.47 57.18,19.47 arc(57.18,19.47) 57.18,19.47 arc(57.18,19.47) 57.18,19.47 57.48,18.85 arc(57.47,18.67) 57.32,18.58 57.09,18.57 arc(57.05,18.57) 57.01,18.56 56.08,18.56 arc(56.04,18.56) 56,18.56 55.82,18.55 arc(55.69,18.47) 55.67,18.32 ; 11.09,24.68 10.95,24.78 arc(10.92,24.79) 10.89,24.8 10.78,24.8 arc(10.72,24.81) 10.67,24.85 10.57,24.94 arc(10.54,25) 10.52,25.06 10.52,25.78 arc(10.53,25.79) 10.53,25.8 10.53,25.81 arc(10.53,25.82) 10.53,25.82 arc(10.53,25.83) 10.53,25.84 10.78,27.25 arc(10.78,27.26) 10.79,27.27 10.81,27.29 arc(10.82,27.3) 10.84,27.3 10.89,27.3 arc(10.92,27.31) 10.95,27.32 11.09,27.43 arc(11.25,27.48) 11.41,27.43 11.55,27.32 arc(11.58,27.31) 11.61,27.3 11.66,27.3 arc(11.66,27.3) 11.67,27.3 11.68,27.29 arc(11.68,27.29) 11.69,27.29 arc(11.69,27.29) 11.7,27.28 12.18,26.94 arc(12.21,26.93) 12.23,26.92 12.28,26.91 arc(12.3,26.9) 12.33,26.9 13.16,26.9 arc(13.18,26.9) 13.19,26.9 13.22,26.91 arc(13.24,26.91) 13.25,26.92 13.87,27.15 13.89,27.16 arc(13.9,27.16) 13.91,27.17 13.92,27.19 arc(13.92,27.2) 13.92,27.21 13.92,27.26 arc(13.93,27.3) 13.95,27.32 14.09,27.43 arc(14.25,27.48) 14.41,27.43 14.55,27.32 arc(14.58,27.31) 14.61,27.3 14.66,27.3 arc(14.66,27.3) 14.67,27.3 14.68,27.29 arc(14.68,27.29) 14.69,27.29 arc(14.69,27.29) 14.7,27.28 15.18,26.94 arc(15.21,26.93) 15.23,26.92 15.28,26.91 arc(15.3,26.9) 15.33,26.9 16.16,26.9 arc(16.18,26.9) 16.19,26.9 16.22,26.91 arc(16.24,26.91) 16.25,26.92 16.87,27.15 16.89,27.16 arc(16.9,27.16) 16.91,27.17 16.92,27.19 arc(16.92,27.2) 16.92,27.21 16.92,27.26 arc(16.93,27.3) 16.95,27.32 17.09,27.43 arc(17.25,27.48) 17.41,27.43 17.55,27.32 arc(17.58,27.31) 17.61,27.3 17.66,27.3 arc(17.66,27.3) 17.67,27.3 17.68,27.29 arc(17.68,27.29) 17.69,27.29 arc(17.69,27.29) 17.7,27.28 18.18,26.94 arc(18.21,26.93) 18.23,26.92 18.28,26.91 arc(18.3,26.9) 18.33,26.9 19.16,26.9 arc(19.18,26.9) 19.19,26.9 19.22,26.91 arc(19.24,26.91) 19.25,26.92 19.87,27.15 19.89,27.16 arc(19.9,27.16) 19.91,27.17 19.92,27.19 arc(19.92,27.2) 19.92,27.21 19.92,27.26 arc(19.93,27.3) 19.95,27.32 20.09,27.43 arc(20.25,27.48) 20.41,27.43 20.55,27.32 arc(20.58,27.31) 20.61,27.3 20.66,27.3 arc(20.66,27.3) 20.67,27.3 20.68,27.29 arc(20.68,27.29) 20.69,27.29 arc(20.69,27.29) 20.7,27.28 21.18,26.94 arc(21.21,26.93) 21.23,26.92 21.28,26.91 arc(21.3,26.9) 21.33,26.9 22.16,26.9 arc(22.18,26.9) 22.19,26.9 22.22,26.91 arc(22.24,26.91) 22.25,26.92 22.87,27.15 22.89,27.16 arc(22.9,27.16) 22.91,27.17 22.92,27.19 arc(22.92,27.2) 22.92,27.21 22.92,27.26 arc(22.93,27.3) 22.95,27.32 23.09,27.43 arc(23.25,27.48) 23.41,27.43 23.55,27.32 arc(23.58,27.31) 23.61,27.3 23.66,27.3 arc(23.66,27.3) 23.67,27.3 23.68,27.29 arc(23.68,27.29) 23.69,27.29 arc(23.69,27.29) 23.7,27.28 24.18,26.94 arc(24.21,26.93) 24.23,26.92 24.28,26.91 arc(24.3,26.9) 24.33,26.9 25.16,26.9 arc(25.18,26.9) 25.19,26.9 25.22,26.91 arc(25.24,26.91) 25.25,26.92 25.87,27.15 25.89,27.16 arc(25.9,27.16) 25.91,27.17 25.92,27.19 arc(25.92,27.2) 25.92,27.21 25.92,27.26 arc(25.93,27.3) 25.95,27.32 26.09,27.43 arc(26.25,27.48) 26.41,27.43 26.55,27.32 arc(26.58,27.31) 26.61,27.3 26.66,27.3 arc(26.66,27.3) 26.67,27.3 26.68,27.29 arc(26.68,27.29) 26.69,27.29 arc(26.69,27.29) 26.7,27.28 27.18,26.94 arc(27.21,26.93) 27.23,26.92 27.28,26.91 arc(27.3,26.9) 27.33,26.9 28.16,26.9 arc(28.18,26.9) 28.19,26.9 28.22,26.91 arc(28.24,26.91) 28.25,26.92 28.87,27.15 28.89,27.16 arc(28.9,27.16) 28.91,27.17 28.92,27.19 arc(28.92,27.2) 28.92,27.21 28.92,27.26 arc(28.93,27.3) 28.95,27.32 RGB8.2 ; 11.09,24.68 11.41,24.43 ; 11.09,24.68 arc(11.15,24.55) 11.09,24.43 ; 10.58,6.72 10.06,7.87 arc(10.01,8) 10,8.15 ; 10.58,6.72 arc(10.6,6.62) 10.59,6.52 ; 10.58,6.72 arc(10.64,6.65) 10.74,6.62 ; R18.1 55.83,17.11 arc(55.83,17.12) 55.83,17.12 arc(55.83,17.12) 55.83,17.12 arc(55.83,17.12) 55.83,17.12 55.79,17.79 arc(55.79,17.83) 55.79,17.87 arc(55.79,17.9) 55.78,17.94 55.67,18.32 ; 26.41,9.43 26.55,9.32 arc(26.58,9.31) 26.61,9.3 26.66,9.3 arc(26.66,9.3) 26.67,9.3 26.68,9.29 arc(26.68,9.29) 26.69,9.29 arc(26.69,9.29) 26.7,9.28 27.18,8.94 arc(27.21,8.93) 27.23,8.92 27.28,8.91 arc(27.3,8.9) 27.33,8.9 28.16,8.9 arc(28.18,8.9) 28.19,8.9 28.22,8.91 arc(28.24,8.91) 28.25,8.92 28.87,9.15 28.89,9.16 arc(28.9,9.16) 28.91,9.17 28.92,9.19 arc(28.92,9.2) 28.92,9.21 28.92,9.26 arc(28.93,9.3) 28.95,9.32 RGB50.2 ; 26.41,9.43 arc(26.25,9.48) 26.09,9.43 ; 26.41,9.43 arc(26.35,9.55) 26.41,9.68 ; 10.59,6.52 10.54,6.4 arc(10.54,6.39) 10.53,6.37 10.53,6.34 arc(10.53,6.33) 10.52,6.31 10.52,4.06 arc(10.54,4) 10.57,3.94 10.67,3.85 arc(10.72,3.81) 10.78,3.8 10.89,3.8 arc(10.92,3.79) 10.95,3.78 11.55,3.32 arc(11.58,3.31) 11.61,3.3 11.66,3.3 arc(11.66,3.3) 11.67,3.3 11.68,3.29 arc(11.68,3.29) 11.69,3.29 arc(11.69,3.29) 11.7,3.28 12.18,2.94 arc(12.21,2.93) 12.23,2.92 12.28,2.91 arc(12.3,2.9) 12.33,2.9 13.16,2.9 arc(13.18,2.9) 13.19,2.9 13.22,2.91 arc(13.24,2.91) 13.25,2.92 13.87,3.15 13.89,3.16 arc(13.9,3.16) 13.91,3.17 13.92,3.19 arc(13.92,3.2) 13.92,3.21 13.92,3.26 arc(13.93,3.3) 13.95,3.32 14.09,3.43 arc(14.25,3.48) 14.41,3.43 14.55,3.32 arc(14.58,3.31) 14.61,3.3 14.66,3.3 arc(14.66,3.3) 14.67,3.3 14.68,3.29 arc(14.68,3.29) 14.69,3.29 arc(14.69,3.29) 14.7,3.28 15.18,2.94 arc(15.21,2.93) 15.23,2.92 15.28,2.91 arc(15.3,2.9) 15.33,2.9 16.16,2.9 arc(16.18,2.9) 16.19,2.9 16.22,2.91 arc(16.24,2.91) 16.25,2.92 16.87,3.15 16.89,3.16 arc(16.9,3.16) 16.91,3.17 16.92,3.19 arc(16.92,3.2) 16.92,3.21 16.92,3.26 arc(16.93,3.3) 16.95,3.32 17.09,3.43 arc(17.25,3.48) 17.41,3.43 17.55,3.32 arc(17.58,3.31) 17.61,3.3 17.66,3.3 arc(17.66,3.3) 17.67,3.3 17.68,3.29 arc(17.68,3.29) 17.69,3.29 arc(17.69,3.29) 17.7,3.28 18.18,2.94 arc(18.21,2.93) 18.23,2.92 18.28,2.91 arc(18.3,2.9) 18.33,2.9 19.16,2.9 arc(19.18,2.9) 19.19,2.9 19.22,2.91 arc(19.24,2.91) 19.25,2.92 19.87,3.15 19.89,3.16 arc(19.9,3.16) 19.91,3.17 19.92,3.19 arc(19.92,3.2) 19.92,3.21 19.92,3.26 arc(19.93,3.3) 19.95,3.32 20.09,3.43 arc(20.25,3.48) 20.41,3.43 20.55,3.32 arc(20.58,3.31) 20.61,3.3 20.66,3.3 arc(20.66,3.3) 20.67,3.3 20.68,3.29 arc(20.68,3.29) 20.69,3.29 arc(20.69,3.29) 20.7,3.28 21.18,2.94 arc(21.21,2.93) 21.23,2.92 21.28,2.91 arc(21.3,2.9) 21.33,2.9 22.16,2.9 arc(22.18,2.9) 22.19,2.9 22.22,2.91 arc(22.24,2.91) 22.25,2.92 22.87,3.15 22.89,3.16 arc(22.9,3.16) 22.91,3.17 22.92,3.19 arc(22.92,3.2) 22.92,3.21 22.92,3.26 arc(22.93,3.3) 22.95,3.32 23.09,3.43 arc(23.25,3.48) 23.41,3.43 23.55,3.32 arc(23.58,3.31) 23.61,3.3 23.66,3.3 arc(23.66,3.3) 23.67,3.3 23.68,3.29 arc(23.68,3.29) 23.69,3.29 arc(23.69,3.29) 23.7,3.28 24.18,2.94 arc(24.21,2.93) 24.23,2.92 24.28,2.91 arc(24.3,2.9) 24.33,2.9 25.16,2.9 arc(25.18,2.9) 25.19,2.9 25.22,2.91 arc(25.24,2.91) 25.25,2.92 25.87,3.15 25.89,3.16 arc(25.9,3.16) 25.91,3.17 25.92,3.19 arc(25.92,3.2) 25.92,3.21 25.92,3.26 arc(25.93,3.3) 25.95,3.32 26.09,3.43 arc(26.25,3.48) 26.41,3.43 26.55,3.32 arc(26.58,3.31) 26.61,3.3 26.66,3.3 arc(26.66,3.3) 26.67,3.3 26.68,3.29 arc(26.68,3.29) 26.69,3.29 arc(26.69,3.29) 26.7,3.28 27.18,2.94 arc(27.21,2.93) 27.23,2.92 27.28,2.91 arc(27.3,2.9) 27.33,2.9 28.16,2.9 arc(28.18,2.9) 28.19,2.9 28.22,2.91 arc(28.24,2.91) 28.25,2.92 28.87,3.15 28.89,3.16 arc(28.9,3.16) 28.91,3.17 28.92,3.19 arc(28.92,3.2) 28.92,3.21 28.92,3.26 arc(28.93,3.3) 28.95,3.32 RGB64.2 ; 10.59,6.52 arc(10.64,6.59) 10.74,6.62 ; 26.41,9.68 26.55,9.78 arc(26.58,9.79) 26.61,9.8 26.71,9.8 arc(26.77,9.81) 26.82,9.84 26.92,9.93 arc(26.95,9.98) 26.97,10.04 27.03,10.79 arc(27.03,10.8) 27.03,10.81 arc(27.03,10.81) 27.03,10.82 27.03,10.83 arc(27.03,10.84) 27.03,10.84 arc(27.03,10.85) 27.03,10.85 27.12,11.22 ; 26.41,9.68 26.09,9.43 ; 10.61,15.91 10.36,17.27 arc(10.39,17.62) 10.6,17.91 10.9,18.17 arc(10.91,18.18) 10.91,18.19 10.92,18.2 arc(10.92,18.21) 10.92,18.22 arc(10.92,18.23) 10.92,18.23 10.92,18.26 arc(10.93,18.3) 10.95,18.32 11.09,18.43 arc(11.25,18.48) 11.41,18.43 11.55,18.32 arc(11.58,18.31) 11.61,18.3 11.66,18.3 arc(11.66,18.3) 11.67,18.3 11.68,18.29 arc(11.68,18.29) 11.69,18.29 arc(11.69,18.29) 11.7,18.28 12.18,17.94 arc(12.21,17.93) 12.23,17.92 12.28,17.91 arc(12.3,17.9) 12.33,17.9 13.16,17.9 arc(13.18,17.9) 13.19,17.9 13.22,17.91 arc(13.24,17.91) 13.25,17.92 13.87,18.15 13.89,18.16 arc(13.9,18.16) 13.91,18.17 13.92,18.19 arc(13.92,18.2) 13.92,18.21 13.92,18.26 arc(13.93,18.3) 13.95,18.32 14.09,18.43 arc(14.25,18.48) 14.41,18.43 14.55,18.32 arc(14.58,18.31) 14.61,18.3 14.66,18.3 arc(14.66,18.3) 14.67,18.3 14.68,18.29 arc(14.68,18.29) 14.69,18.29 arc(14.69,18.29) 14.7,18.28 15.18,17.94 arc(15.21,17.93) 15.23,17.92 15.28,17.91 arc(15.3,17.9) 15.33,17.9 16.16,17.9 arc(16.18,17.9) 16.19,17.9 16.22,17.91 arc(16.24,17.91) 16.25,17.92 16.87,18.15 16.89,18.16 arc(16.9,18.16) 16.91,18.17 16.92,18.19 arc(16.92,18.2) 16.92,18.21 16.92,18.26 arc(16.93,18.3) 16.95,18.32 17.09,18.43 arc(17.25,18.48) 17.41,18.43 17.55,18.32 arc(17.58,18.31) 17.61,18.3 17.66,18.3 arc(17.66,18.3) 17.67,18.3 17.68,18.29 arc(17.68,18.29) 17.69,18.29 arc(17.69,18.29) 17.7,18.28 18.18,17.94 arc(18.21,17.93) 18.23,17.92 18.28,17.91 arc(18.3,17.9) 18.33,17.9 19.16,17.9 arc(19.18,17.9) 19.19,17.9 19.22,17.91 arc(19.24,17.91) 19.25,17.92 19.87,18.15 19.89,18.16 arc(19.9,18.16) 19.91,18.17 19.92,18.19 arc(19.92,18.2) 19.92,18.21 19.92,18.26 arc(19.93,18.3) 19.95,18.32 20.09,18.43 arc(20.25,18.48) 20.41,18.43 20.55,18.32 arc(20.58,18.31) 20.61,18.3 20.66,18.3 arc(20.66,18.3) 20.67,18.3 20.68,18.29 arc(20.68,18.29) 20.69,18.29 arc(20.69,18.29) 20.7,18.28 21.18,17.94 arc(21.21,17.93) 21.23,17.92 21.28,17.91 arc(21.3,17.9) 21.33,17.9 22.16,17.9 arc(22.18,17.9) 22.19,17.9 22.22,17.91 arc(22.24,17.91) 22.25,17.92 22.87,18.15 22.89,18.16 arc(22.9,18.16) 22.91,18.17 22.92,18.19 arc(22.92,18.2) 22.92,18.21 22.92,18.26 arc(22.93,18.3) 22.95,18.32 23.09,18.43 arc(23.25,18.48) 23.41,18.43 23.55,18.32 arc(23.58,18.31) 23.61,18.3 23.66,18.3 arc(23.66,18.3) 23.67,18.3 23.68,18.29 arc(23.68,18.29) 23.69,18.29 arc(23.69,18.29) 23.7,18.28 24.18,17.94 arc(24.21,17.93) 24.23,17.92 24.28,17.91 arc(24.3,17.9) 24.33,17.9 25.16,17.9 arc(25.18,17.9) 25.19,17.9 25.22,17.91 arc(25.24,17.91) 25.25,17.92 25.87,18.15 25.89,18.16 arc(25.9,18.16) 25.91,18.17 25.92,18.19 arc(25.92,18.2) 25.92,18.21 25.92,18.26 arc(25.93,18.3) 25.95,18.32 26.09,18.43 arc(26.25,18.48) 26.41,18.43 26.55,18.32 arc(26.57,18.3) 26.57,18.26 26.57,18.21 arc(26.58,18.2) 26.58,18.19 26.59,18.17 arc(26.6,18.16) 26.61,18.16 arc(26.62,18.15) 26.63,18.15 27.25,17.92 arc(27.26,17.91) 27.28,17.91 27.31,17.9 arc(27.32,17.9) 27.34,17.9 28.18,17.9 arc(28.2,17.9) 28.22,17.91 28.27,17.92 arc(28.29,17.93) 28.32,17.94 28.36,17.97 28.8,18.28 arc(28.81,18.29) 28.81,18.29 arc(28.82,18.29) 28.82,18.29 28.83,18.3 arc(28.84,18.3) 28.84,18.3 28.89,18.3 arc(28.92,18.31) 28.95,18.32 RGB29.2 ; 27.12,11.22 arc(27.11,11.57) 26.93,11.86 ; 27.12,11.22 arc(27.28,11.53) 27.58,11.71 ; 37.97,19.48 37.15,20.5 arc(37.13,20.53) 37.12,20.56 37.12,20.61 arc(37.12,20.63) 37.12,20.64 37.1,20.66 arc(37.09,20.67) 37.08,20.67 arc(37.07,20.67) 37.05,20.68 35.61,21.01 arc(35.6,21.01) 35.59,21.02 arc(35.58,21.02) 35.58,21.02 33.33,21.59 arc(33.32,21.6) 33.31,21.6 arc(33.3,21.6) 33.29,21.6 33.28,21.6 arc(33.27,21.6) 33.27,21.6 33.26,21.61 arc(33.25,21.61) 33.24,21.61 arc(33.23,21.61) 33.22,21.61 33.21,21.61 arc(33.2,21.62) 33.19,21.62 32.81,21.62 arc(32.8,21.62) 